# KiCad board SF_01 Compute Board.kicad_pcb (continued)
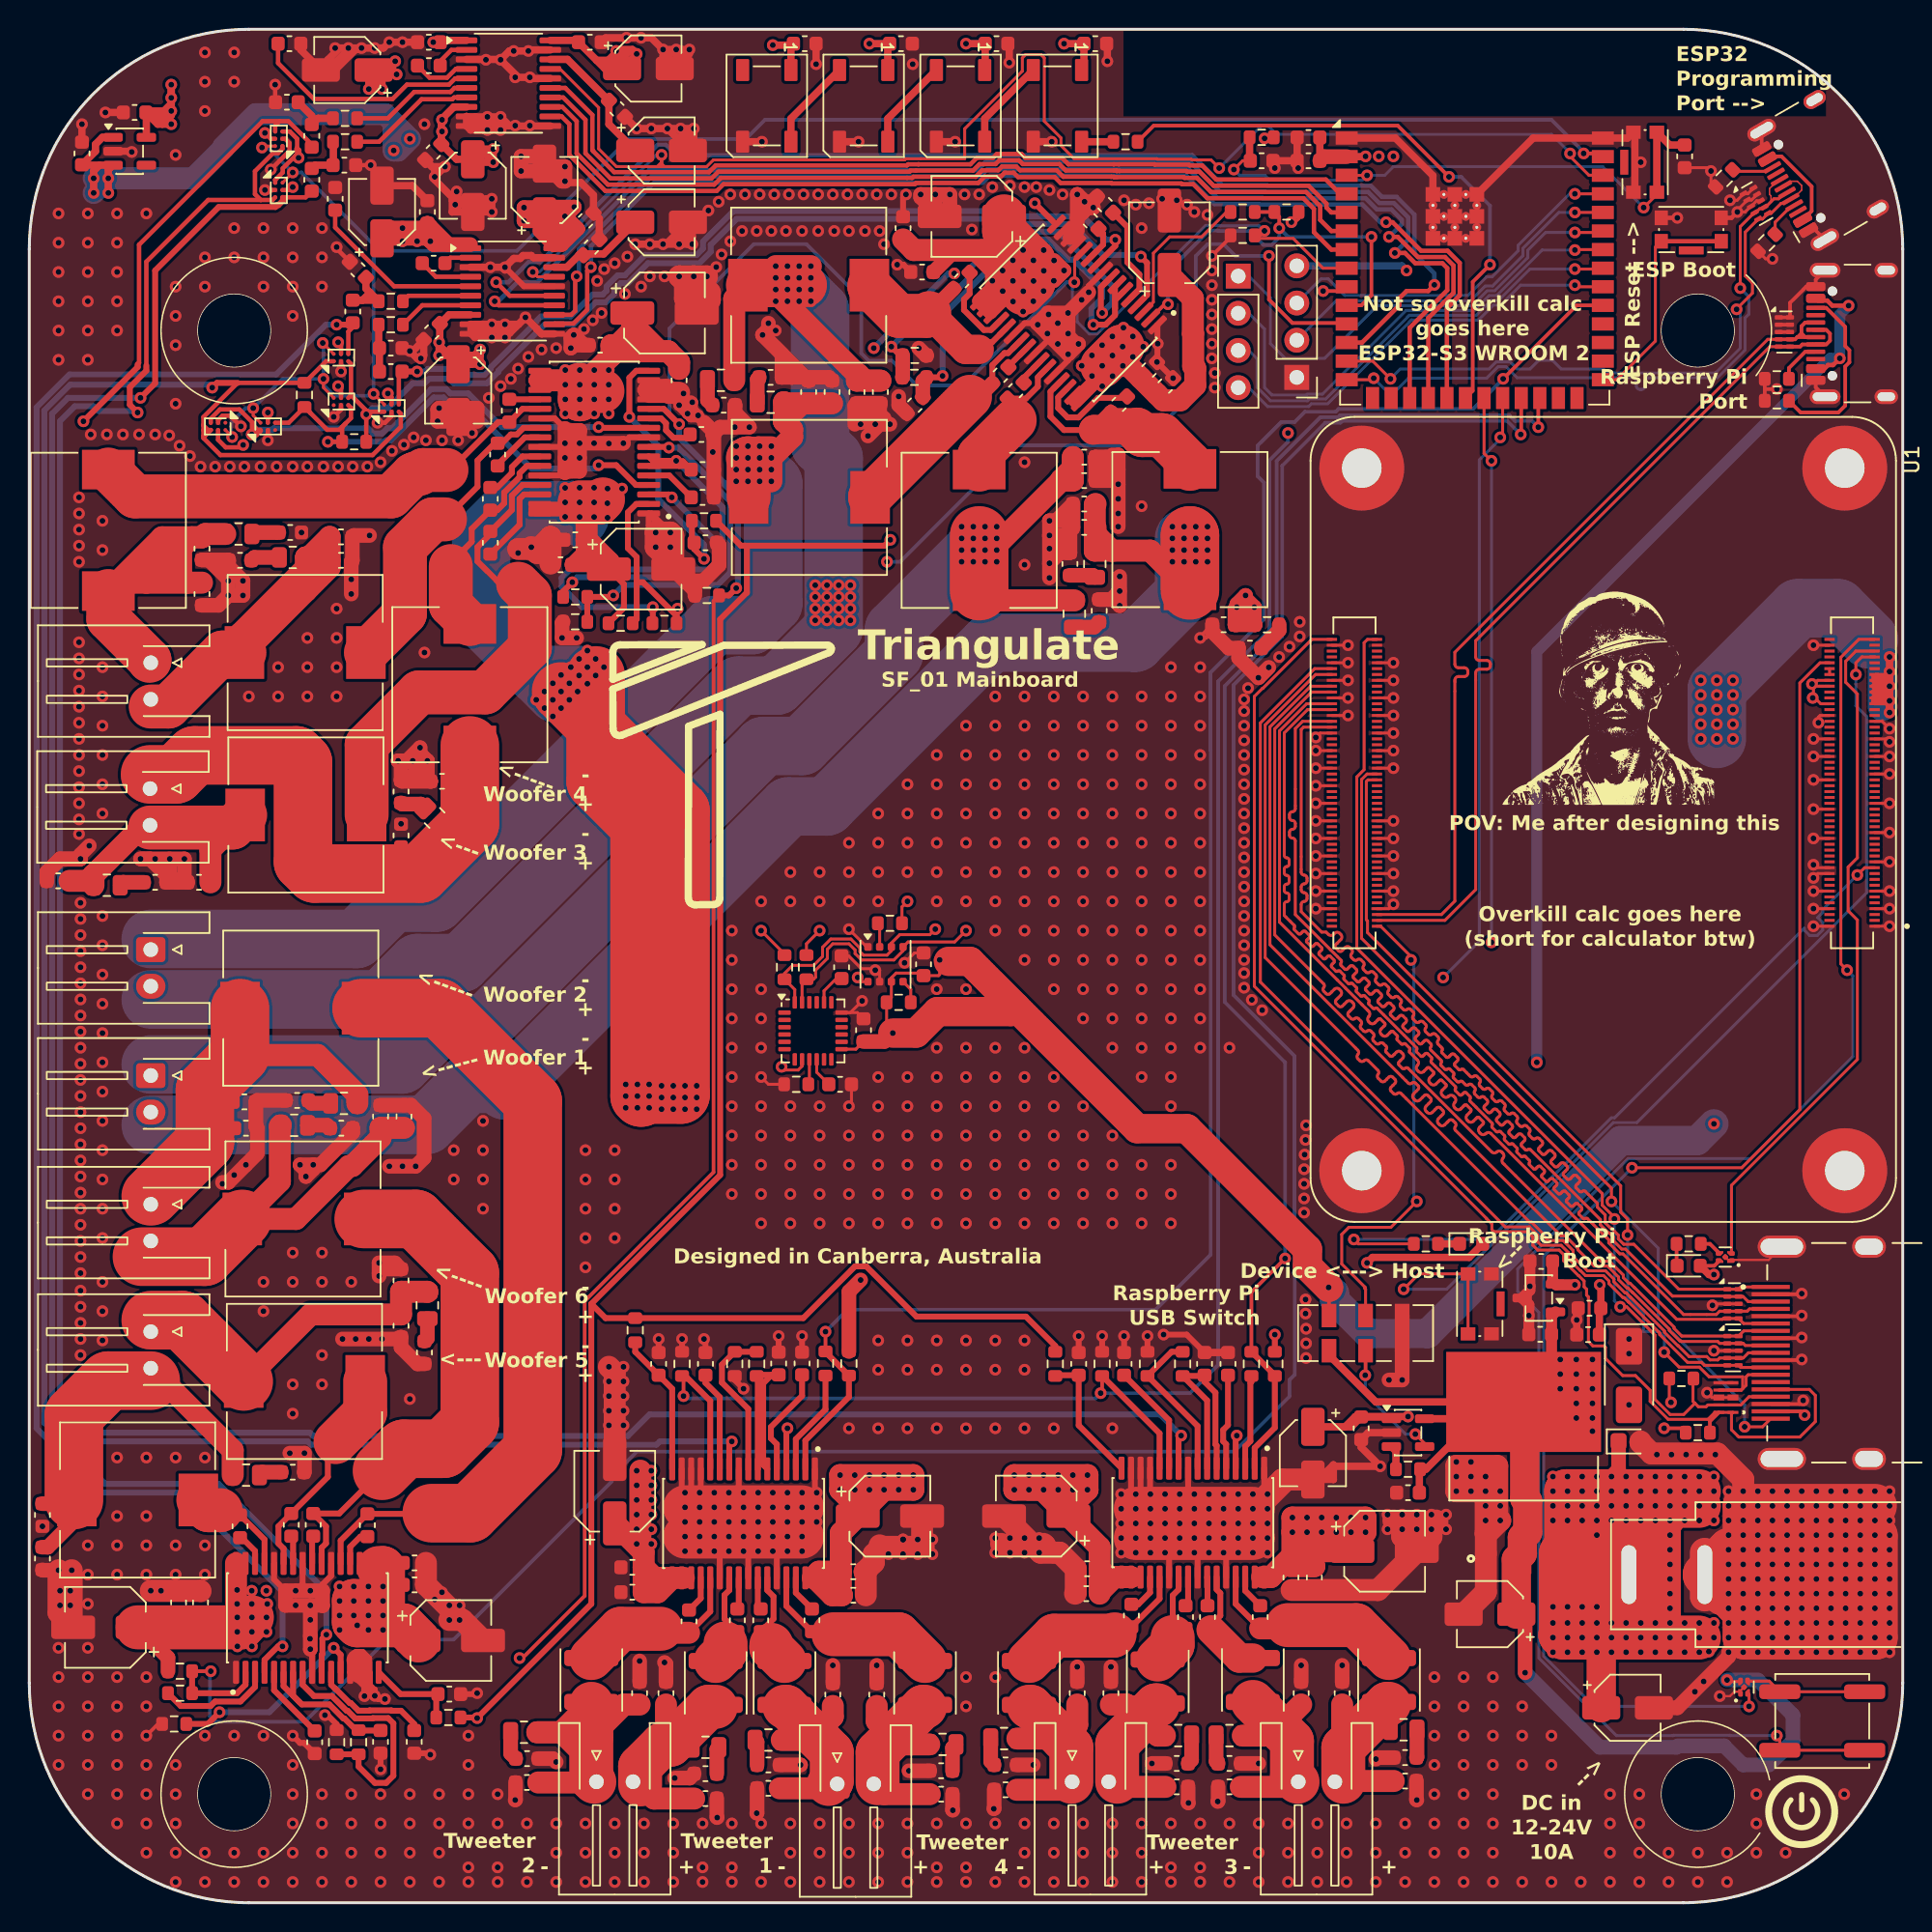
[diagram p0: board, top side]
## Routing (per net, layer and track width the routed paths; a pad name or vN(x,y) marks a point on that pad's centre or on a via; arc(x,y) is an arc through that point) (continued)
Net-(U20-OUTPL): length 5.6
  Top w0.4: U20.23 47.83,21.35 47.5,21.02 47.5,19.4 C143.2
  Top w3: 47.57,17.72 47.57,17.19 L15.1
Net-(U20-OUTPR): length 11.4
  Top w0.4: C141.2 51.72,20.27 U20.29
  Top w3: L13.1 59.37,18.34 54.95,18.34
Net-(U20-RINN): length 7.5
  Top w0.4: U20.5 51.08,31.33 50.67,31.73 50.67,32.5 52.8,34.63 C132.2
Net-(U20-SYNC): length 9.7
  Top w0.4: R49.2 41.4,37.64 C140.1 43.92,35.12 U20.16
Net-(U21-BSNL): length 2.7
  Top w0.4: C172.1 75.78,20.39 76.57,21.19 U21.20
Net-(U21-BSNR): length 2
  Top w0.4: U21.26 80.5,22.22 C170.1
Net-(U21-BSPL): length 2
  Top w0.4: U21.24 79.18,20.47 C171.1
Net-(U21-BSPR): length 2.4
  Top w0.4: C169.1 83.07,21.32 U21.30
Net-(U21-FAULTZ): length 6.5
  Top w0.4: R60.1 83.5,35.59 83.43,35.52 83.43,31.53 83.07,31.18 U21.3
Net-(U21-GAIN/SLV): length 10.8
  Top w0.4: 78.8,37.64 78.05,37.64 R58.2 79.82,32.57 U21.8
Net-(U21-GVDD): length 15.2
  Top w0.4: U21.7 80.47,34.32 R57.1 80.25,35.99 C159.2 80.3,35.59 81.04,34.85 81.04,31.31 81.12,31.23 U21.6
Net-(U21-LINN): length 7.6
  Top w0.4: U21.11 77.88,32.97 C162.2
Net-(U21-OUTNL): length 10.8
  Top w0.4: C172.2 77.22,20.77 U21.21
  Top w3: 74.15,18.33 74.06,18.24 70.03,18.24 L20.1
Net-(U21-OUTNR): length 7.6
  Top w0.4: C170.2 81.38,19.62 81.38,21.15 81.12,21.4 U21.27
  Top w2: 80.75,18.64 82.67,16.72 L18.1
Net-(U21-OUTPL): length 6
  Top w0.4: U21.23 78.53,21.4 78.12,21 78.12,19.62 C171.2
  Top w3: L19.1 78.12,17.63 78.12,18.14
Net-(U21-OUTPR): length 14
  Top w0.4: U21.29 82.43,20.42 C169.2
  Top w1.5: C169.2 85.75,18.74 85.98,18.97
  Top w3: 85.98,18.97 90.65,18.97 L17.1
Net-(U21-RINN): length 6.6
  Top w0.4: C160.2 81.9,32.63 81.57,32.3 81.57,31.53 81.78,31.33 U21.5
Net-(U21-SYNC): length 9.2
  Top w0.4: R59.2 70.15,36.04 C168.1 71.7,32.61 U21.16
Net-(U22-AD0): length 1.7
  Top w0.2: U22.9 53.3,55.99 53.22,55.92
Net-(U22-CPOUT): length 2.3
  Top w0.2: C71.1 55.14,63.14 54.3,62.3 U22.20
Net-(U22-REGOUT): length 2
  Top w0.2: U22.10 53.8,56.74 C72.1
Net-(U23-CSB): length 1.7
  Top w0.2: R71.1 58.1,66.79 U23.2
Net-(U23-SDO): length 1.6
  Top w0.2: U23.5 60.22,62.4 R70.2
Net-(U27-~{OC}): length 1.7
  Top w0.5: U27.3 93.38,30.85 R12.2

## Copper pours and planes (outline as drawn; the poured copper is in the pictures)
GND on Top, Bottom, In1.Cu, In2.Cu: -0.97,-4.59 22,-4.58 133,-4.58 131,131.42 -1,131.42

## Text on the board
F.Silkscreen: SF_01 Mainboard | Designed in Canberra, Australia | <--- | Woofer 4 | Woofer 3 | Woofer 2 | Woofer 1 | Woofer 6 | Woofer 5 | ESP32 / Programming / Port --> | - | + | Not so overkill calc / goes here | ESP32-S3 WROOM 2 | DC in / 12-24V / 10A | Overkill calc goes here / (short for calculator btw) | POV: Me after designing this | Tweeter / 2 | Tweeter / 1 | Tweeter / 4 | Tweeter / 3 | Raspberry Pi / USB Switch | Device <---> Host | Raspberry Pi / Boot | ESP Boot | Raspberry Pi / Port | <----- | --> | <-- | ESP Reset --> | <---- | Triangulate
